# Allegro board 8880F5-0827_6.brd

Outline 581.66 x 429.26 mm; copper layers: TOP, L02_DGND, L03_SIGNAL, L04_DGND, L05_SIGNAL, L06_DGND, L07_SIGNAL, L08_DGND, L09_SIGNAL, L10_DGND, L11_POWER, L12_DGND, L13_POWER, L14_DGND, L15_POWER, L16_DGND, L17_5V, L18_CBIT, L19_DGND, L20_POWER, L21_DGND, L22_POWER, L23_DGND, L24_POWER, L25_DGND, L26_SIGNAL, L27_DGND, L28_SIGNAL, L29_DGND, L30_SIGNAL, L31_DGND, L32_SIGNAL, L33_DGND, BOTTOM. Coordinates in mm from the lower left corner of the outline.

## Design rules (mm)
net group DIFFPAIR0: nets D31702 D31704
net group DIFFPAIR1: nets D31706 D31708
net group DIFFPAIR2: nets D31710 D31712
net group DIFFPAIR3: nets D31714 D31716
net group DIFFPAIR4: nets D32102 D32104
net group DIFFPAIR5: nets D32106 D32108
net group DIFFPAIR6: nets D32110 D32112
net group DIFFPAIR7: nets D32114 D32116
net group DIFFPAIR8: nets D30102 D30104
net group DIFFPAIR9: nets D30106 D30108
net group DIFFPAIR10: nets D30110 D30112
net group DIFFPAIR11: nets D30114 D30116
net group DIFFPAIR12: nets D30502 D30504
net group DIFFPAIR13: nets D30506 D30508
net group DIFFPAIR14: nets D30510 D30512
net group DIFFPAIR15: nets D30514 D30516
net group DIFFPAIR16: nets D13102 D13104
net group DIFFPAIR17: nets D13114 D13116
net group DIFFPAIR18: nets D13101 D13103
net group DIFFPAIR19: nets D13113 D13115
net group DIFFPAIR20: nets D13202 D13204
net group DIFFPAIR21: nets D13206 D13208
net group DIFFPAIR22: nets D13210 D13212
net group DIFFPAIR23: nets D13214 D13216
net group DIFFPAIR24: nets D13201 D13203
net group DIFFPAIR25: nets D13205 D13207
net group DIFFPAIR26: nets D13209 D13211
net group DIFFPAIR27: nets D13213 D13215
net group DIFFPAIR28: nets D11902 D11904
net group DIFFPAIR29: nets D11901 D11903
net group DIFFPAIR30: nets D11914 D11916
net group DIFFPAIR31: nets D11913 D11915
net group DIFFPAIR32: nets D12002 D12004
net group DIFFPAIR33: nets D12006 D12008
net group DIFFPAIR34: nets D12010 D12012
net group DIFFPAIR35: nets D12014 D12016
net group DIFFPAIR36: nets D12001 D12003
net group DIFFPAIR37: nets D12005 D12007
net group DIFFPAIR38: nets D12009 D12011
net group DIFFPAIR39: nets D12013 D12015
net group DIFFPAIR40: nets D10802 D10804
net group DIFFPAIR41: nets D10806 D10808
net group DIFFPAIR42: nets D10810 D10812
net group DIFFPAIR43: nets D10814 D10816
net group DIFFPAIR44: nets D10801 D10803
net group DIFFPAIR45: nets D10805 D10807
net group DIFFPAIR46: nets D10809 D10811
net group DIFFPAIR47: nets D10813 D10815
net group DIFFPAIR48: nets D10702 D10704
net group DIFFPAIR49: nets D10701 D10703
net group DIFFPAIR50: nets D10714 D10716
net group DIFFPAIR51: nets D10713 D10715
net group DIFFPAIR52: nets D11013 D11015
net group DIFFPAIR53: nets D11014 D11016
net group DIFFPAIR54: nets D11001 D11003
net group DIFFPAIR55: nets D11002 D11004
net group DIFFPAIR56: nets D10913 D10915
net group DIFFPAIR57: nets D10914 D10916
net group DIFFPAIR58: nets D10909 D10911
net group DIFFPAIR59: nets D10910 D10912
net group DIFFPAIR60: nets D10905 D10907
net group DIFFPAIR61: nets D10906 D10908
net group DIFFPAIR62: nets D10901 D10903
net group DIFFPAIR63: nets D10902 D10904

## Placement (name value [footprint] x y rotation side)
BD29  BD120-3A-S8  [FB0805]  129.54 134.62 180 bottom
BD30  BD120-3A-S8  [FB0805]  129.54 146.05 180 bottom
BD31  BD120-3A-S8  [FB0805]  129.54 142.24 0 bottom
BD32  BD120-3A-S8  [FB0805]  513.08 238.76 180 bottom
BD33  BD120-3A-S8  [FB0805]  513.08 242.57 180 bottom
BD34  BD120-3A-S8  [FB0805]  453.64 145.54 0 bottom
BD35  BD120-3A-S8  [FB0805]  453.64 137.92 180 bottom
BD36  BD120-3A-S8  [FB0805]  129.54 138.43 180 bottom
BD37  BD120-3A-S8  [FB0805]  453.64 130.3 180 bottom
BD38  BD120-3A-S8  [FB0805]  513.08 242.57 180 bottom
BD39  BD120-3A-S8  [FB0805]  453.64 141.73 0 bottom
BD40  BD120-3A-S8  [FB0805]  453.64 134.11 180 bottom
BD41  BD120-3A-S8  [FB0805]  513.08 234.95 180 bottom
BD42  BD120-3A-S8  [FB0805]  513.08 231.14 180 bottom
BD43  BD120-3A-S8  [FB0805]  513.08 227.33 180 bottom
BD44  BD120-3A-S8  [FB0805]  129.54 149.86 180 bottom
BR902  330-1-S4  [R0402]  36.83 133.35 270 bottom
C3  0.1U-16-X-S4-MU  [C0402]  184.15 132.33 180 bottom
C4  0.1U-16-X-S4-MU  [C0402]  181.61 132.33 180 bottom
C5  22P-50-N-S4-AVX  [C0402]  221.21 277.48 90 bottom
C6  22P-50-N-S4-AVX  [C0402]  221.21 271.16 270 bottom
C7  0.1U-16-X-S4-MU  [C0402]  110.74 230.12 0 bottom
C8  0.1U-16-X-S4-MU  [C0402]  104.14 215.5 180 bottom
C9  0.1U-16-X-S4-MU  [C0402]  104.24 229.1 180 bottom
CA1  NC/10U-10-X6S-S6-MU  [C0603]  186.05 292.1 0 bottom
CA2  NC/47U-10-X5R-S8-TDK  [C0805]  186.16 294 0 bottom
CA3  NC/10U-10-X6S-S6-MU  [C0603]  174.62 292.1 180 bottom
CA4  NC/47U-10-X5R-S8-TDK  [C0805]  174.52 294 180 bottom
CA5  NC/10U-10-X6S-S6-MU  [C0603]  117.47 290.83 180 bottom
CA6  NC/47U-10-X5R-S8-TDK  [C0805]  117.37 292.74 180 bottom
CA7  NC/10U-10-X6S-S6-MU  [C0603]  169.54 292.1 0 bottom
CA8  NC/47U-10-X5R-S8-TDK  [C0805]  169.65 294 0 bottom
CA9  NC/10U-10-X6S-S6-MU  [C0603]  158.11 292.1 180 bottom
CA10  NC/47U-10-X5R-S8-TDK  [C0805]  158.01 294 180 bottom
CA11  NC/10U-10-X6S-S6-MU  [C0603]  186.05 275.59 0 bottom
CA12  NC/47U-10-X5R-S8-TDK  [C0805]  186.16 277.5 0 bottom
CA13  NC/47U-10-X5R-S8-TDK  [C0805]  202.16 294 0 bottom
CA14  NC/10U-10-X6S-S6-MU  [C0603]  202.06 292.1 0 bottom
CA15  NC/47U-10-X5R-S8-TDK  [C0805]  190.53 294 180 bottom
CA16  NC/10U-10-X6S-S6-MU  [C0603]  190.63 292.1 180 bottom
CA17  NC/47U-10-X5R-S8-TDK  [C0805]  169.65 277.5 0 bottom
CA18  NC/10U-10-X6S-S6-MU  [C0603]  169.54 275.59 0 bottom
CA19  NC/47U-10-X5R-S8-TDK  [C0805]  100.34 249.52 180 bottom
CA20  NC/10U-10-X6S-S6-MU  [C0603]  100.44 247.61 180 bottom
CA21  10U-10-X6S-S6-MU  [C0603]  186.05 289.56 0 bottom
CA22  10U-10-X6S-S6-MU  [C0603]  174.62 289.56 180 bottom
CA23  10U-10-X6S-S6-MU  [C0603]  117.47 288.29 180 bottom
CA24  10U-10-X6S-S6-MU  [C0603]  169.54 289.56 0 bottom
CA25  10U-10-X6S-S6-MU  [C0603]  158.11 289.56 180 bottom
CA26  10U-10-X6S-S6-MU  [C0603]  186.05 273.05 0 bottom
CA27  10U-10-X6S-S6-MU  [C0603]  202.06 289.56 0 bottom
CA28  10U-10-X6S-S6-MU  [C0603]  190.63 289.56 180 bottom
CA29  10U-10-X6S-S6-MU  [C0603]  169.54 273.05 0 bottom
CA30  NC/47U-10-X5R-S8-TDK  [C0805]  95.47 249.57 180 bottom
CA31  10U-10-X6S-S6-MU  [C0603]  95.57 247.66 180 bottom
CA32  NC/10U-10-X6S-S6-MU  [C0603]  202.06 275.59 0 bottom
CA33  NC/47U-10-X5R-S8-TDK  [C0805]  202.16 277.5 0 bottom
CA34  10U-10-X6S-S6-MU  [C0603]  202.06 273.05 0 bottom
CA35  NC/10U-10-X6S-S6-MU  [C0603]  174.62 275.59 180 bottom
CA36  NC/47U-10-X5R-S8-TDK  [C0805]  174.52 277.5 180 bottom
CA37  10U-10-X6S-S6-MU  [C0603]  174.62 273.05 180 bottom
CA38  NC/10U-10-X6S-S6-MU  [C0603]  158.11 275.59 180 bottom
CA39  NC/47U-10-X5R-S8-TDK  [C0805]  158.01 277.5 180 bottom
CA40  10U-10-X6S-S6-MU  [C0603]  158.11 273.05 180 bottom
CB1  0.1U-25-X-S6  [C0603]  116.84 130.81 0 bottom
CB2  10U-16-T-SA  [CODE_A]  116.84 128.27 0 bottom
CB3  0.1U-25-X-S6  [C0603]  472.44 130.81 0 bottom
CB4  10U-16-T-SA  [CODE_A]  472.44 128.27 0 bottom
CB5  0.1U-25-X-S6  [C0603]  556.51 300.99 0 bottom
CB6  10U-16-T-SA  [CODE_A]  556.51 298.45 0 bottom
CB7  0.1U-25-X-S6  [C0603]  223.52 298.45 0 bottom
CB8  10U-16-T-SA  [CODE_A]  223.52 295.91 0 bottom
CB9  0.1U-25-X-S6  [C0603]  23.01 130.71 0 bottom
CB10  10U-25-X7R-SA  [C1206]  22.86 128.27 0 bottom
CB11  0.1U-25-X-S6  [C0603]  484.02 130.71 0 bottom
CB12  10U-25-X7R-SA  [C1206]  483.87 128.27 0 bottom
CB13  0.1U-25-X-S6  [C0603]  547.52 300.89 0 bottom
CB14  10U-25-X7R-SA  [C1206]  547.37 298.45 0 bottom
CB15  0.1U-25-X-S6  [C0603]  12.45 262.13 0 bottom
CB16  10U-25-X7R-SA  [C1206]  12.3 259.69 0 bottom
CB19  0.1U-25-X7R-S4-MU  [C0402]  215.9 17.78 180 bottom
CC1  0.47U-10-X6S-S2-TY  [C0201]  237.98 224.12 90 bottom
CC2  4.7U-10-X6T-S4-MU  [C0402]  236.32 222.4 270 bottom
CC4  0.47U-10-X6S-S2-TY  [C0201]  229.81 247.93 0 bottom
CC6  0.47U-10-X6S-S2-TY  [C0201]  250.17 224.12 90 bottom
CC7  0.47U-10-X6S-S2-TY  [C0201]  229.81 246.66 0 bottom
CC8  0.47U-10-X6S-S2-TY  [C0201]  263.63 224.12 90 bottom
CC9  0.47U-10-X6S-S2-TY  [C0201]  254.61 266.16 270 bottom
CC11  0.47U-10-X6S-S2-TY  [C0201]  251.06 224.12 90 bottom
CC13  0.47U-10-X6S-S2-TY  [C0201]  256.77 224.12 90 bottom
CC15  4.7U-2.5-X6S-S2-MU  [C0201]  259.65 264.95 90 bottom
CC16  NC/4.7U-2.5-X6S-S2-MU  [C0201]  271.64 249.5 0 bottom
CC17  4.7U-2.5-X6S-S2-MU  [C0201]  229.81 253.69 0 bottom
CC19  0.47U-10-X6S-S2-TY  [C0201]  252.83 266.16 270 bottom
CC20  4.7U-10-X6T-S4-MU  [C0402]  254.11 267.66 0 bottom
CC22  0.47U-10-X6S-S2-TY  [C0201]  251.05 266.16 270 bottom
CC23  4.7U-10-X6T-S4-MU  [C0402]  250.34 253.09 270 bottom
CC25  0.47U-10-X6S-S2-TY  [C0201]  272.85 245.18 180 bottom
CC26  0.47U-10-X6S-S2-TY  [C0201]  253.72 266.16 270 bottom
CC27  0.47U-10-X6S-S2-TY  [C0201]  272.85 249.5 180 bottom
CC28  0.47U-10-X6S-S2-TY  [C0201]  259.65 266.16 270 bottom
CC29  0.47U-10-X6S-S2-TY  [C0201]  231.03 253.69 180 bottom
CC30  0.47U-10-X6S-S2-TY  [C0201]  229.81 243.41 0 bottom
CC31  0.47U-10-X6S-S2-TY  [C0201]  249.28 224.12 90 bottom
CC32  0.47U-10-X6S-S2-TY  [C0201]  262.36 224.12 90 bottom
CC33  0.47U-10-X6S-S2-TY  [C0201]  272.85 243.91 180 bottom
CC34  0.47U-10-X6S-S2-TY  [C0201]  251.94 266.16 270 bottom
CC35  0.47U-10-X6S-S2-TY  [C0201]  272.85 241.37 180 bottom
CC36  0.47U-10-X6S-S2-TY  [C0201]  272.85 242.64 180 bottom
CC37  0.47U-10-X6S-S2-TY  [C0201]  247.57 264.95 90 bottom
CC38  NC/4.7U-2.5-X6S-S2-MU  [C0201]  247.57 266.16 270 bottom
CC39  0.47U-10-X6S-S2-TY  [C0201]  231.03 249.2 180 bottom
CC40  4.7U-2.5-X6S-S2-MU  [C0201]  258.5 246.67 180 bottom
CC41  4.7U-2.5-X6S-S2-MU  [C0201]  229.81 249.2 0 bottom
CC42  4.7U-2.5-X6S-S2-MU  [C0201]  251.54 253.03 90 bottom
CD1  0.1U-10-X7R-S2-MU  [C0201]  237.98 225.34 270 top
CD3  0.1U-10-X7R-S2-MU  [C0201]  271.64 241.37 0 top
CD4  0.1U-10-X7R-S2-MU  [C0201]  254.61 264.95 90 top
CD5  0.1U-10-X7R-S2-MU  [C0201]  263.63 225.34 270 top
CD6  0.1U-10-X7R-S2-MU  [C0201]  231.03 246.66 180 top
CD7  0.1U-10-X7R-S2-MU  [C0201]  271.64 242.64 0 top
CD8  0.1U-10-X7R-S2-MU  [C0201]  251.06 225.34 270 top
CD9  0.1U-10-X7R-S2-MU  [C0201]  256.77 225.34 270 top
CD10  0.1U-10-X7R-S2-MU  [C0201]  271.64 249.5 0 top
CD11  0.1U-10-X7R-S2-MU  [C0201]  259.65 264.95 90 top
CD12  0.1U-10-X7R-S2-MU  [C0201]  231.03 253.69 180 top
CD13  0.1U-10-X7R-S2-MU  [C0201]  252.83 264.95 90 top
CD14  0.1U-10-X7R-S2-MU  [C0201]  251.05 264.95 90 top
CD15  0.1U-10-X7R-S2-MU  [C0201]  271.64 245.18 0 top
CD16  0.1U-10-X7R-S2-MU  [C0201]  253.72 264.95 90 top
CD17  0.1U-10-X7R-S2-MU  [C0201]  231.03 247.93 180 top
CD18  0.1U-10-X7R-S2-MU  [C0201]  251.94 264.95 90 top
CD19  0.1U-10-X7R-S2-MU  [C0201]  231.03 243.41 180 top
CD20  0.1U-10-X7R-S2-MU  [C0201]  271.64 243.91 0 top
CD21  0.1U-10-X7R-S2-MU  [C0201]  262.36 225.34 270 top
CD22  0.1U-10-X7R-S2-MU  [C0201]  249.28 225.34 270 top
CD23  0.1U-10-X7R-S2-MU  [C0201]  250.17 225.34 270 top
CD24  0.1U-10-X7R-S2-MU  [C0201]  247.57 264.95 90 top
CD25  0.1U-10-X7R-S2-MU  [C0201]  231.03 249.2 180 top
CSDPS225  V93K_CSDPS_DPS32  [PG_VG93K_PF_DPS32_G8D225]  254 331.47 0 top
CSDPS229  V93K_CSDPS_DPS32  [PG_VG93K_PF_DPS32_G8D229]  180.34 331.47 0 top
CSDPS425  V93K_CSDPS_DPS32  [PG_VG93K_PF_DPS32_G8D425]  254 341.63 0 top
CSDPS429  V93K_CSDPS_DPS32  [PG_VG93K_PF_DPS32_G8D429]  180.34 341.63 0 top
D101/D501  V93K_PS1600 HD  [PG_VG93K_F_HSM_G1D101_501_ND]  327.66 97.79 0 top
D102  V93K_CH  [PG_VG93K_F_G1D102]  327.66 77.47 0 top
D103  V93K_CH  [PG_VG93K_F_G1D103]  327.66 57.15 0 top
D104  V93K_CH  [PG_VG93K_F_G1D104]  327.66 36.83 0 top
D105/D505  V93K_PS1600 HD  [PG_VG93K_F_HSM_G1D105_505_ND]  401.32 97.79 0 top
D106  V93K_CH  [PG_VG93K_F_G1D106]  401.32 77.47 0 top
D107  V93K_CH  [PG_VG93K_F_G1D107]  401.32 57.15 0 top
D108  V93K_CH  [PG_VG93K_F_G1D108]  401.32 36.83 0 top
D109  V93K_CH  [PG_VG93K_F_G2D109]  401.32 331.47 0 top
D110  V93K_CH  [PG_VG93K_F_G2D110]  401.32 351.79 0 top
D111  V93K_CH  [PG_VG93K_F_G2D111]  401.32 372.11 0 top
D112  V93K_CH  [PG_VG93K_F_G2D112]  401.32 392.43 0 top
D113  V93K_CH  [PG_VG93K_F_G2D113]  327.66 331.47 0 top
D114  V93K_CH  [PG_VG93K_F_G2D114]  327.66 351.79 0 top
D115  V93K_CH  [PG_VG93K_F_G2D115]  327.66 372.11 0 top
D116  V93K_CH  [PG_VG93K_F_G2D116]  327.66 392.43 0 top
D117/D517  V93K_PS1600 HD  [PG_VG93K_F_HSM_G3D117_517_ND]  180.34 97.79 0 top
D118  V93K_CH  [PG_VG93K_F_G3D118]  180.34 77.47 0 top
D119  V93K_CH  [PG_VG93K_F_G3D119]  180.34 57.15 0 top
D120  V93K_CH  [PG_VG93K_F_G3D120]  180.34 36.83 0 top
D121/D521  V93K_PS1600 HD  [PG_VG93K_F_HSM_G3D121_521_ND]  254 97.79 0 top
D122  V93K_CH  [PG_VG93K_F_G3D122]  254 77.47 0 top
D123  V93K_CH  [PG_VG93K_F_G3D123]  254 57.15 0 top
D124  V93K_CH  [PG_VG93K_F_G3D124]  254 36.83 0 top
D125  V93K_CH  [PG_VG93K_F_G4D125]  33.02 97.79 0 top
D126  V93K_CH  [PG_VG93K_F_G4D126]  33.02 77.47 0 top
D127  V93K_CH  [PG_VG93K_F_G4D127]  33.02 57.15 0 top
D128  V93K_CH  [PG_VG93K_F_G4D128]  33.02 36.83 0 top
D129  V93K_CH  [PG_VG93K_F_G4D129]  106.68 97.79 0 top
D130  V93K_CH  [PG_VG93K_F_G4D130]  106.68 77.47 0 top
D131  V93K_CH  [PG_VG93K_F_G4D131]  106.68 57.15 0 top
D132  V93K_CH  [PG_VG93K_F_G4D132]  106.68 36.83 0 top
D231  V93K_CH  [PG_VG93K_F_G8D231]  180.34 372.11 0 top
D301  V93K_CH  [PG_VG93K_F_G1D301]  327.66 87.63 0 top
D302  V93K_CH  [PG_VG93K_F_G1D302]  327.66 67.31 0 top
D305  V93K_CH  [PG_VG93K_F_G1D305]  401.32 87.63 0 top
D306  V93K_CH  [PG_VG93K_F_G1D306]  401.32 67.31 0 top
D309  V93K_PSSL  [PG_VG93K_F_PSSL_G2D309_ND]  401.32 341.63 0 top
D313  V93K_PSSL  [PG_VG93K_F_PSSL_G2D313_ND]  327.66 341.63 0 top
D317  V93K_CH  [PG_VG93K_F_G3D317]  180.34 87.63 0 top
D318  V93K_CH  [PG_VG93K_F_G3D318]  180.34 67.31 0 top
D321  V93K_CH  [PG_VG93K_F_G3D321]  254 87.63 0 top
D322  V93K_CH  [PG_VG93K_F_G3D322]  254 67.31 0 top
D431  V93K_CH  [PG_VG93K_F_G8D431]  180.34 382.27 0 top
DPS1  V93K_DPS  [PG_VG93K_F_G1DPS1]  401.32 16.51 0 top
DPS2  V93K_DPS  [PG_VG93K_F_G2DPS2]  327.66 412.75 0 top
DPS3  V93K_DPS  [PG_VG93K_F_G3DPS3]  254 16.51 0 top
DPS8  V93K_DPS  [PG_VG93K_F_G8DPS8]  180.34 412.75 0 top
FD1  -  [FD_040_V2]  159.82 131.98 0 top
FD2  -  [FD_040_V2]  423.24 131.98 0 top
FD3  -  [FD_040_V2]  423.24 297.28 0 top
FD4  -  [FD_040_V2]  156.51 297.46 0 top
FD5  -  [FD_040_V2]  159.82 131.98 180 bottom
FD6  -  [FD_040_V2]  423.24 131.98 180 bottom
FD7  -  [FD_040_V2]  423.24 297.28 180 bottom
FD8  -  [FD_040_V2]  156.51 297.46 180 bottom
FD9  -  [FD_040_V2]  570.23 128.27 180 bottom
FD10  -  [FD_040_V2]  570.23 300.99 0 top
FD11  -  [FD_040_V2]  570.23 300.99 180 bottom
FD12  -  [FD_040_V2]  11.43 300.99 0 top
FD13  -  [FD_040_V2]  11.43 300.99 180 bottom
FD14  -  [FD_040_V2]  11.43 127 0 top
FD15  -  [FD_040_V2]  11.43 127 180 bottom
FD16  -  [FD_040_V2]  570.23 128.27 0 top
GND1  TP01  [TP_040_T]  173.57 294 0 top
GND2  TP01  [TP_040_T]  187.11 294 180 top
GND3  TP01  [TP_040_T]  116.42 292.74 0 top
GND4  TP01  [TP_040_T]  157.06 294 0 top
GND5  TP01  [TP_040_T]  170.6 294 180 top
GND6  TP01  [TP_040_T]  173.57 277.5 0 top
GND7  TP01  [TP_040_T]  203.11 294 180 top
GND8  TP01  [TP_040_T]  189.58 294 0 top
GND9  TP01  [TP_040_T]  170.6 277.5 180 top
GND10  TP01  [TP_040_T]  99.36 249.46 0 top
GND11  TP01  [TP_040_T]  94.49 249.52 0 top
GND12  TP01  [TP_040_T]  203.11 277.5 180 top
GND13  TP01  [TP_040_T]  187.11 277.5 180 top
GND14  TP01  [TP_040_T]  157.06 277.5 0 top
HX8880-F05  REF-CODE-CHIP  [CHIP_CODE]  559.05 279.65 0 top
J1  HDR-2X1-M  [JP_2P_100]  110.24 232.41 270 bottom
J2  HDR-3X1-M  [JP_3P_100]  88.76 205.43 90 bottom
J3  HDR-3X1-M  [JP_3P_100]  88.76 219.15 90 bottom
J4  HDR-2X1-M  [JP_2P_100]  96.27 231.39 90 bottom
J5  HDR-2X1-M  [JP_2P_100]  96.27 243.08 90 bottom
JG_220919AA01  REF-CODE-SOCKET  [SOCKET_CODE]  559.05 284.73 0 top
JG_220919AA02  REF-CODE-SOCKET  [SOCKET_CODE]  559.05 287.27 0 top
K1  G6K-2F-RF-T-5V-SPECIAL  [RL_G6K2FRT_8P_5V_GR]  347.73 292.86 0 bottom
K2  G6K-2F-RF-T-5V-SPECIAL  [RL_G6K2FRT_8P_5V_GR]  334.26 292.86 0 bottom
K3  G6K-2F-RF-T-5V-SPECIAL  [RL_G6K2FRT_8P_5V_GR]  320.8 292.86 0 bottom
K4  G6K-2F-RF-T-5V-SPECIAL  [RL_G6K2FRT_8P_5V_GR]  289.56 276.1 180 bottom
K5  G6K-2F-RF-T-5V-SPECIAL  [RL_G6K2FRT_8P_5V_GR]  307.59 292.86 0 bottom
K6  G6K-2F-RF-T-5V-SPECIAL  [RL_G6K2FRT_8P_5V_GR]  294.39 292.86 0 bottom
K7  G6K-2F-RF-T-5V-SPECIAL  [RL_G6K2FRT_8P_5V_GR]  280.92 292.86 0 bottom
K8  G6K-2F-RF-T-5V-SPECIAL  [RL_G6K2FRT_8P_5V_GR]  267.46 292.86 0 bottom
K9  UA2-5NJ-A-V3  [RL_NECUA2_5V_V3]  219.96 235.46 90 bottom
K10  UA2-5NJ-A-V3  [RL_NECUA2_5V_V3]  111.76 237.24 0 bottom
K11  G6K-2F-RF-T-5V-SPECIAL  [RL_G6K2FRT_8P_5V_GR]  254.25 292.86 0 bottom
K12  UA2-5NJ-A-V3  [RL_NECUA2_5V_V3]  219.96 246.89 90 bottom
K13  UA2-5NJ-A-V3  [RL_NECUA2_5V_V3]  123.7 229.62 180 bottom
K14  UA2-5NJ-A-V3  [RL_NECUA2_5V_V3]  112.01 220.73 180 bottom
K15  UA2-5NJ-A-V3  [RL_NECUA2_5V_V3]  123.99 213.19 180 bottom
K16  G6K-2F-RF-T-5V-SPECIAL  [RL_G6K2FRT_8P_5V_GR]  241.05 292.61 180 bottom
K17  G6K-2F-RF-T-5V-SPECIAL  [RL_G6K2FRT_8P_5V_GR]  188.47 260.35 270 bottom
K18  UB2-5NU-B  [RL_NECUB2_5V]  228.45 274.32 0 bottom
K19  UA2-5NJ-A-V3  [RL_NECUA2_5V_V3]  112.01 213.11 180 bottom
K20  UA2-5NJ-A-V3  [RL_NECUA2_5V_V3]  123.95 220.73 180 bottom
K21  G6K-2F-RF-T-5V-SPECIAL  [RL_G6K2FRT_8P_5V_GR]  204.98 260.35 270 bottom
K22  G6K-2F-RF-T-5V-SPECIAL  [RL_G6K2FRT_8P_5V_GR]  205.23 232.92 270 bottom
K23  G6K-2F-RF-T-5V-SPECIAL  [RL_G6K2FRT_8P_5V_GR]  171.7 219.2 270 bottom
K24  G6K-2F-RF-T-5V-SPECIAL  [RL_G6K2FRT_8P_5V_GR]  188.47 232.92 270 bottom
K25  G6K-2F-RF-T-5V-SPECIAL  [RL_G6K2FRT_8P_5V_GR]  205.23 246.63 270 bottom
K26  G6K-2F-RF-T-5V-SPECIAL  [RL_G6K2FRT_8P_5V_GR]  171.7 232.92 270 bottom
K27  G6K-2F-RF-T-5V-SPECIAL  [RL_G6K2FRT_8P_5V_GR]  188.47 246.63 270 bottom
K28  UA2-5NJ-A-V3  [RL_NECUA2_5V_V3]  100.33 237.24 0 bottom
K29  G6K-2F-RF-T-5V-SPECIAL  [RL_G6K2FRT_8P_5V_GR]  171.7 260.35 270 bottom
K30  G6K-2F-RF-T-5V-SPECIAL  [RL_G6K2FRT_8P_5V_GR]  171.7 246.63 270 bottom
K31  EC2-5NJ-A  [RL_NECEC2_10P_5V]  196.34 276.86 90 bottom
K33  NC/UA2-5NJ-A-V3  [RL_NECUA2_5V_V3]  123.7 237.24 180 bottom
K34  EC2-5NJ-A  [RL_NECEC2_10P_5V]  180.34 293.37 90 bottom
K36  EC2-5NJ-A  [RL_NECEC2_10P_5V]  123.19 292.1 90 bottom
K37  EC2-5NJ-A  [RL_NECEC2_10P_5V]  163.83 293.37 90 bottom
K39  EC2-5NJ-A  [RL_NECEC2_10P_5V]  180.34 276.86 90 bottom
K40  EC2-5NJ-A  [RL_NECEC2_10P_5V]  196.34 293.37 90 bottom
K42  EC2-5NJ-A  [RL_NECEC2_10P_5V]  163.83 276.86 90 bottom
K43  G6K-2F-RF-T-5V-SPECIAL  [RL_G6K2FRT_8P_5V_GR]  269.49 276.1 180 bottom
LD902  LDG-2-S8  [LED_0805]  36.83 130.81 90 top
LOGO1  -  [LOGO_KT_KSMT]  538.48 154.94 0 top
LOGO2  LOGO_HX_Himax  [LOGO_HX_HIMAX]  518.16 138.43 0 top
LQFP176-20X20-P0.4  REF-CODE-CHIP  [CHIP_CODE]  559.05 282.19 0 top
NOREF  -  []  302.11 192.14 0 top
NOREF#2  -  []  300.36 177.06 0 top
NOREF#3  -  []  122.44 171.1 0 top
NOREF#4  -  []  459.28 227 90 top
NOREF#5  -  []  383.09 289.12 0 top
NOREF#6  -  []  303.15 211.32 90 top
NOREF#7  -  []  330.51 288.86 0 top
NOREF#8  -  []  343.95 223.52 90 top
NOREF#9  -  []  471.21 168.33 0 top
NOREF#10  -  []  453.88 186.77 0 top
NOREF#11  -  []  393.19 222.95 90 top
NOREF#12  -  []  201.23 219.75 90 top
NOREF#13  -  []  383.73 198.08 90 top
NOREF#14  -  []  405.17 131.89 0 top
NOREF#15  -  []  201.23 206.29 90 top
NOREF#16  -  []  192.47 218.65 90 top
NOREF#17  -  []  122.19 247.3 90 top
NOREF#18  -  []  392.47 224.3 90 top
NOREF#19  -  []  272.55 189.5 0 top
NOREF#20  -  []  405.93 256.82 90 top
NOREF#21  -  []  199.59 145.03 0 top
NOREF#22  -  []  396.55 241.11 0 top
NOREF#23  -  []  310.43 188.88 0 top
NOREF#24  -  []  419.9 272.92 90 top
NOREF#25  -  []  406.44 154.88 0 top
NOREF#26  -  []  168.13 199.99 90 top
NOREF#27  -  []  127.95 222.33 0 top
NOREF#28  -  []  333.33 181.33 90 top
NOREF#29  -  []  377.23 257.16 90 top
NOREF#30  -  []  463.61 214.96 0 top
NOREF#31  -  []  201.49 163.2 90 top
NOREF#32  -  []  371.73 273.11 0 top
NOREF#33  -  []  310.43 249.52 0 top
NOREF#34  -  []  268.01 296.86 0 top
NOREF#35  -  []  352.25 249.18 90 top
NOREF#36  -  []  414.82 249.11 0 top
NOREF#37  -  []  168.13 159.1 90 top
NOREF#38  -  []  251.33 140.14 0 top
NOREF#39  -  []  167.7 173.11 0 top
NOREF#40  -  []  200.98 260.9 90 top
NOREF#41  -  []  167.7 215.35 90 top
NOREF#42  -  []  301.56 239.06 0 top
NOREF#43  -  []  471.21 211.76 90 top
NOREF#44  -  []  392.66 192.88 90 top
NOREF#45  -  []  261.63 195.43 90 top
NOREF#46  -  []  253.4 264.35 90 top
NOREF#47  -  []  388.43 146.88 0 top
NOREF#48  -  []  342.36 163.82 90 top
NOREF#49  -  []  385.61 208.56 90 top
NOREF#50  -  []  385.36 194.18 90 top
NOREF#51  -  []  296.81 275.94 0 top
NOREF#52  -  []  406.65 223.21 90 top
NOREF#53  -  []  254.61 205.86 90 top
NOREF#54  -  []  230.43 246.34 0 top
NOREF#55  -  []  409.99 146.93 90 top
NOREF#56  -  []  404.4 241.16 90 top
NOREF#57  -  []  93.02 247.21 90 top
NOREF#58  -  []  333.4 205.55 0 top
NOREF#59  -  []  107.02 179.19 0 top
NOREF#60  -  []  330.17 165.04 90 top
NOREF#61  -  []  473.79 191.06 90 top
NOREF#62  -  []  451.64 222.5 0 top
NOREF#63  -  []  401.89 163.64 0 top
NOREF#64  -  []  368.03 249.11 0 top
NOREF#65  -  []  369.38 241.11 0 top
NOREF#66  -  []  377.32 188.15 0 top
NOREF#67  -  []  383.09 273.11 0 top
NOREF#68  -  []  184.89 145.38 90 top
NOREF#69  -  []  385.19 257.11 0 top
NOREF#70  -  []  285.02 288.91 90 top
NOREF#71  -  []  406.65 255.47 90 top
NOREF#72  -  []  408.88 133.16 90 top
NOREF#73  -  []  329.85 164.74 0 top
NOREF#74  -  []  329.16 296.86 0 top
NOREF#75  -  []  230.43 248.88 90 top
NOREF#76  -  []  411.26 163.09 90 top
NOREF#77  -  []  392.47 256.66 90 top
NOREF#78  -  []  414.25 154.88 0 top
NOREF#79  -  []  184.47 192.32 90 top
NOREF#80  -  []  383.09 224.85 0 top
NOREF#81  -  []  182.82 175.58 90 top
NOREF#82  -  []  351.34 183.91 0 top
NOREF#83  -  []  251.05 204.65 90 top
NOREF#84  -  []  318.32 131.64 0 top
NOREF#85  -  []  379.01 272.66 90 top
NOREF#86  -  []  313.56 131.64 90 top
NOREF#87  -  []  35.83 128.17 90 top
NOREF#88  -  []  230.73 249.2 0 top
NOREF#89  -  []  237.66 224.72 0 top
NOREF#90  -  []  128.21 178.64 0 top
NOREF#91  -  []  192.57 174.36 90 top
NOREF#92  -  []  250.74 164.72 0 top
NOREF#93  -  []  184.89 254.6 90 top
NOREF#94  -  []  302.11 252.14 0 top
NOREF#95  -  []  479.44 195.66 0 top
NOREF#96  -  []  118.7 222.88 0 top
NOREF#97  -  []  209.23 250.38 90 top
NOREF#98  -  []  319.33 236.03 90 top
NOREF#99  -  []  167.7 151.68 90 top
NOREF#100  -  []  219.76 297.18 0 top
NOREF#101  -  []  177.33 173.86 90 top
NOREF#102  -  []  184.47 176.66 90 top
NOREF#103  -  []  257.09 163.52 90 top
NOREF#104  -  []  387.2 207.46 0 top
NOREF#105  -  []  272.66 288.86 90 top
NOREF#106  -  []  106.76 215.26 0 top
NOREF#107  -  []  352.55 182.64 0 top
NOREF#108  -  []  387.08 188.15 0 top
NOREF#109  -  []  240.94 211.63 90 top
NOREF#110  -  []  413.51 207.71 90 top
NOREF#111  -  []  185.2 276.04 90 top
NOREF#112  -  []  374.08 195.9 90 top
NOREF#113  -  []  272.55 181.37 0 top
NOREF#114  -  []  473.79 239.64 0 top
NOREF#115  -  []  351.04 184.23 0 top
NOREF#116  -  []  209.23 195.52 90 top
NOREF#117  -  []  459.28 236.14 0 top
NOREF#118  -  []  272.24 241.05 90 top
NOREF#119  -  []  115.99 130.36 90 top
NOREF#120  -  []  199.59 171.96 90 top
NOREF#121  -  []  400.34 194.68 90 top
NOREF#122  -  []  481.96 276.41 90 top
NOREF#123  -  []  238.3 223.52 90 top
NOREF#124  -  []  182.57 144.78 0 top
NOREF#125  -  []  115.61 211.51 90 top
NOREF#126  -  []  451.68 171.53 0 top
NOREF#127  -  []  272.55 242.64 0 top
NOREF#128  -  []  393.19 255.21 90 top
NOREF#129  -  []  333.4 265.56 0 top
NOREF#130  -  []  118.45 231.77 0 top
NOREF#131  -  []  201.49 159.65 90 top
NOREF#132  -  []  352.55 243.91 0 top
NOREF#133  -  []  253.4 205.56 90 top
NOREF#134  -  []  316.97 139.64 0 top
NOREF#135  -  []  460.93 234.74 90 top
NOREF#136  -  []  216.96 180.71 0 top
NOREF#137  -  []  182.57 240.28 0 top
NOREF#138  -  []  351.34 243.91 0 top
NOREF#139  -  []  397.8 163.19 90 top
NOREF#140  -  []  201.23 217.55 90 top
NOREF#141  -  []  473.7 219.66 90 top
NOREF#142  -  []  111.54 290.38 90 top
NOREF#143  -  []  450.03 234.74 0 top
NOREF#144  -  []  468.85 259.9 90 top
NOREF#145  -  []  246.67 288.16 90 top
NOREF#146  -  []  333.4 205.56 90 top
NOREF#147  -  []  348.28 296.86 0 top
NOREF#148  -  []  324.9 288.91 90 top
NOREF#149  -  []  382.82 180.15 0 top
NOREF#150  -  []  209.08 256.4 90 top
NOREF#151  -  []  272.55 245.18 0 top
NOREF#152  -  []  408.63 290.39 90 top
NOREF#153  -  []  93.76 271.33 90 top
NOREF#154  -  []  209.23 246.08 90 top
NOREF#155  -  []  263.63 223.82 90 top
NOREF#156  -  []  215.96 177.06 0 top
NOREF#157  -  []  184.47 190.12 90 top
NOREF#158  -  []  332.51 205.56 90 top
NOREF#159  -  []  253.4 265.56 0 top
NOREF#160  -  []  397.57 131.89 0 top
NOREF#161  -  []  167.7 147.28 90 top
NOREF#162  -  []  201.49 151.93 90 top
NOREF#163  -  []  395.2 265.37 0 top
NOREF#164  -  []  262.04 164.74 0 top
NOREF#165  -  []  175.7 218.65 90 top
NOREF#166  -  []  265.39 135.19 0 top
NOREF#167  -  []  166.06 148.4 90 top